# KiCad board rabbit_mask_video_edit.kicad_pcb (continued)
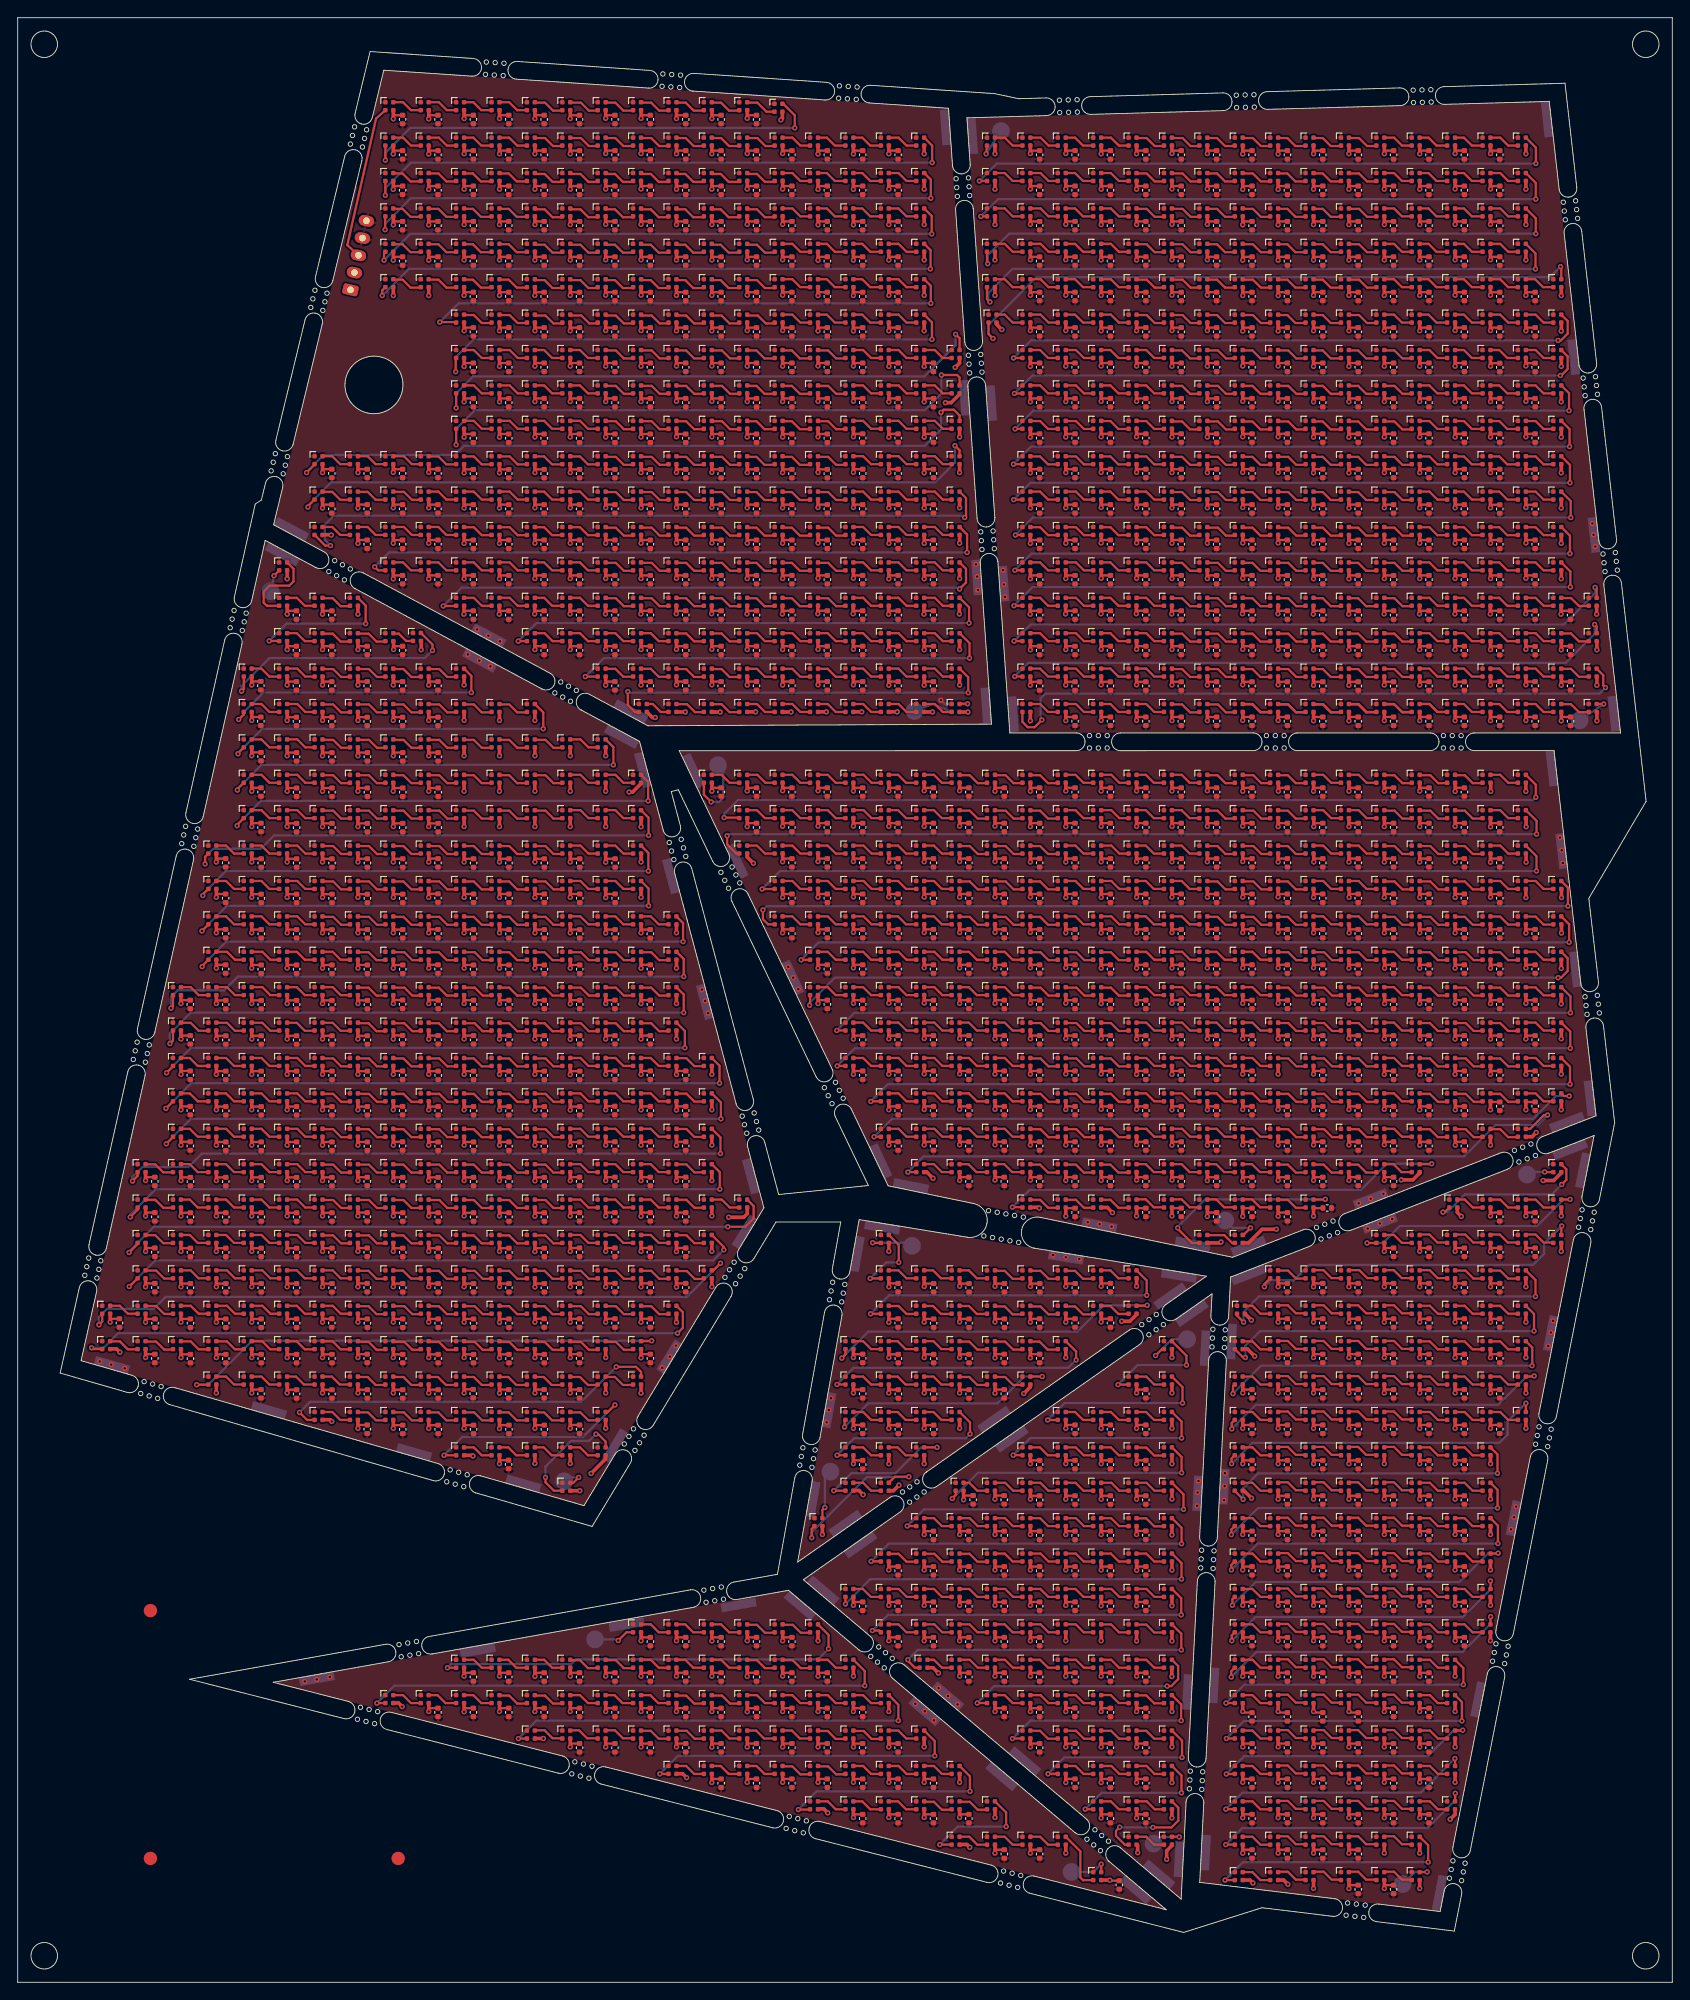
[diagram p0: board, top side]
## Placement (name value [footprint] x y rotation side) (continued)
D1217  SK6812-1515  [LED_SK6812_EC15_1.5x1.5mm]  58 64 0 top
D1218  SK6812-1515  [LED_SK6812_EC15_1.5x1.5mm]  62 64 0 top
D1219  SK6812-1515  [LED_SK6812_EC15_1.5x1.5mm]  66 64 0 top
D1220  SK6812-1515  [LED_SK6812_EC15_1.5x1.5mm]  94 64 0 top
D1221  SK6812-1515  [LED_SK6812_EC15_1.5x1.5mm]  98 64 0 top
D1222  SK6812-1515  [LED_SK6812_EC15_1.5x1.5mm]  102 64 0 top
D1223  SK6812-1515  [LED_SK6812_EC15_1.5x1.5mm]  106 64 0 top
D1224  SK6812-1515  [LED_SK6812_EC15_1.5x1.5mm]  118 64 0 top
D1225  SK6812-1515  [LED_SK6812_EC15_1.5x1.5mm]  122 64 0 top
D1226  SK6812-1515  [LED_SK6812_EC15_1.5x1.5mm]  126 64 0 top
D1227  SK6812-1515  [LED_SK6812_EC15_1.5x1.5mm]  130 64 0 top
D1228  SK6812-1515  [LED_SK6812_EC15_1.5x1.5mm]  138 64 0 top
D1229  SK6812-1515  [LED_SK6812_EC15_1.5x1.5mm]  142 64 0 top
D1230  SK6812-1515  [LED_SK6812_EC15_1.5x1.5mm]  146 64 0 top
D1231  SK6812-1515  [LED_SK6812_EC15_1.5x1.5mm]  150 64 0 top
D1232  SK6812-1515  [LED_SK6812_EC15_1.5x1.5mm]  154 64 0 top
D1233  SK6812-1515  [LED_SK6812_EC15_1.5x1.5mm]  158 64 0 top
D1234  SK6812-1515  [LED_SK6812_EC15_1.5x1.5mm]  162 64 0 top
D1235  SK6812-1515  [LED_SK6812_EC15_1.5x1.5mm]  166 64 0 top
D1236  SK6812-1515  [LED_SK6812_EC15_1.5x1.5mm]  170 64 0 top
D1237  SK6812-1515  [LED_SK6812_EC15_1.5x1.5mm]  50 60 0 top
D1238  SK6812-1515  [LED_SK6812_EC15_1.5x1.5mm]  54 60 0 top
D1239  SK6812-1515  [LED_SK6812_EC15_1.5x1.5mm]  58 60 0 top
D1240  SK6812-1515  [LED_SK6812_EC15_1.5x1.5mm]  62 60 0 top
D1241  SK6812-1515  [LED_SK6812_EC15_1.5x1.5mm]  66 60 0 top
D1242  SK6812-1515  [LED_SK6812_EC15_1.5x1.5mm]  94 60 0 top
D1243  SK6812-1515  [LED_SK6812_EC15_1.5x1.5mm]  98 60 0 top
D1244  SK6812-1515  [LED_SK6812_EC15_1.5x1.5mm]  102 60 0 top
D1245  SK6812-1515  [LED_SK6812_EC15_1.5x1.5mm]  114 60 0 top
D1246  SK6812-1515  [LED_SK6812_EC15_1.5x1.5mm]  118 60 0 top
D1247  SK6812-1515  [LED_SK6812_EC15_1.5x1.5mm]  122 60 0 top
D1248  SK6812-1515  [LED_SK6812_EC15_1.5x1.5mm]  126 60 0 top
D1249  SK6812-1515  [LED_SK6812_EC15_1.5x1.5mm]  130 60 0 top
D1250  SK6812-1515  [LED_SK6812_EC15_1.5x1.5mm]  138 60 0 top
D1251  SK6812-1515  [LED_SK6812_EC15_1.5x1.5mm]  142 60 0 top
D1252  SK6812-1515  [LED_SK6812_EC15_1.5x1.5mm]  146 60 0 top
D1253  SK6812-1515  [LED_SK6812_EC15_1.5x1.5mm]  150 60 0 top
D1254  SK6812-1515  [LED_SK6812_EC15_1.5x1.5mm]  154 60 0 top
D1255  SK6812-1515  [LED_SK6812_EC15_1.5x1.5mm]  158 60 0 top
D1256  SK6812-1515  [LED_SK6812_EC15_1.5x1.5mm]  162 60 0 top
D1257  SK6812-1515  [LED_SK6812_EC15_1.5x1.5mm]  166 60 0 top
D1258  SK6812-1515  [LED_SK6812_EC15_1.5x1.5mm]  62 56 0 top
D1259  SK6812-1515  [LED_SK6812_EC15_1.5x1.5mm]  94 56 0 top
D1260  SK6812-1515  [LED_SK6812_EC15_1.5x1.5mm]  98 56 0 top
D1261  SK6812-1515  [LED_SK6812_EC15_1.5x1.5mm]  106.45 56 0 top
D1262  SK6812-1515  [LED_SK6812_EC15_1.5x1.5mm]  110 56 0 top
D1263  SK6812-1515  [LED_SK6812_EC15_1.5x1.5mm]  114 56 0 top
D1264  SK6812-1515  [LED_SK6812_EC15_1.5x1.5mm]  118 56 0 top
D1265  SK6812-1515  [LED_SK6812_EC15_1.5x1.5mm]  122 56 0 top
D1266  SK6812-1515  [LED_SK6812_EC15_1.5x1.5mm]  126 56 0 top
D1267  SK6812-1515  [LED_SK6812_EC15_1.5x1.5mm]  130 56 0 top
D1268  SK6812-1515  [LED_SK6812_EC15_1.5x1.5mm]  138 56 0 top
D1269  SK6812-1515  [LED_SK6812_EC15_1.5x1.5mm]  142 56 0 top
D1270  SK6812-1515  [LED_SK6812_EC15_1.5x1.5mm]  146 56 0 top
D1271  SK6812-1515  [LED_SK6812_EC15_1.5x1.5mm]  150 56 0 top
D1272  SK6812-1515  [LED_SK6812_EC15_1.5x1.5mm]  154 56 0 top
D1273  SK6812-1515  [LED_SK6812_EC15_1.5x1.5mm]  158 56 0 top
D1274  SK6812-1515  [LED_SK6812_EC15_1.5x1.5mm]  162 56 0 top
D1275  SK6812-1515  [LED_SK6812_EC15_1.5x1.5mm]  166 56 0 top
D1276  SK6812-1515  [LED_SK6812_EC15_1.5x1.5mm]  90.5 52 0 top
D1277  SK6812-1515  [LED_SK6812_EC15_1.5x1.5mm]  102 52 0 top
D1278  SK6812-1515  [LED_SK6812_EC15_1.5x1.5mm]  106 52 0 top
D1279  SK6812-1515  [LED_SK6812_EC15_1.5x1.5mm]  110 52 0 top
D1280  SK6812-1515  [LED_SK6812_EC15_1.5x1.5mm]  114 52 0 top
D1281  SK6812-1515  [LED_SK6812_EC15_1.5x1.5mm]  118 52 0 top
D1282  SK6812-1515  [LED_SK6812_EC15_1.5x1.5mm]  122 52 0 top
D1283  SK6812-1515  [LED_SK6812_EC15_1.5x1.5mm]  126 52 0 top
D1284  SK6812-1515  [LED_SK6812_EC15_1.5x1.5mm]  130 52 0 top
D1285  SK6812-1515  [LED_SK6812_EC15_1.5x1.5mm]  138 52 0 top
D1286  SK6812-1515  [LED_SK6812_EC15_1.5x1.5mm]  142 52 0 top
D1287  SK6812-1515  [LED_SK6812_EC15_1.5x1.5mm]  146 52 0 top
D1288  SK6812-1515  [LED_SK6812_EC15_1.5x1.5mm]  150 52 0 top
D1289  SK6812-1515  [LED_SK6812_EC15_1.5x1.5mm]  154 52 0 top
D1290  SK6812-1515  [LED_SK6812_EC15_1.5x1.5mm]  158 52 0 top
D1291  SK6812-1515  [LED_SK6812_EC15_1.5x1.5mm]  162 52 0 top
D1292  SK6812-1515  [LED_SK6812_EC15_1.5x1.5mm]  166 52 0 top
D1293  SK6812-1515  [LED_SK6812_EC15_1.5x1.5mm]  98 48 0 top
D1294  SK6812-1515  [LED_SK6812_EC15_1.5x1.5mm]  102 48 0 top
D1295  SK6812-1515  [LED_SK6812_EC15_1.5x1.5mm]  106 48 0 top
D1296  SK6812-1515  [LED_SK6812_EC15_1.5x1.5mm]  110 48 0 top
D1297  SK6812-1515  [LED_SK6812_EC15_1.5x1.5mm]  114 48 0 top
D1298  SK6812-1515  [LED_SK6812_EC15_1.5x1.5mm]  118 48 0 top
D1299  SK6812-1515  [LED_SK6812_EC15_1.5x1.5mm]  122 48 0 top
D1300  SK6812-1515  [LED_SK6812_EC15_1.5x1.5mm]  126 48 0 top
D1301  SK6812-1515  [LED_SK6812_EC15_1.5x1.5mm]  130 48 0 top
D1302  SK6812-1515  [LED_SK6812_EC15_1.5x1.5mm]  138 48 0 top
D1303  SK6812-1515  [LED_SK6812_EC15_1.5x1.5mm]  142 48 0 top
D1304  SK6812-1515  [LED_SK6812_EC15_1.5x1.5mm]  146 48 0 top
D1305  SK6812-1515  [LED_SK6812_EC15_1.5x1.5mm]  150 48 0 top
D1306  SK6812-1515  [LED_SK6812_EC15_1.5x1.5mm]  154 48 0 top
D1307  SK6812-1515  [LED_SK6812_EC15_1.5x1.5mm]  158 48 0 top
D1308  SK6812-1515  [LED_SK6812_EC15_1.5x1.5mm]  162 48 0 top
D1309  SK6812-1515  [LED_SK6812_EC15_1.5x1.5mm]  166 48 0 top
D1310  SK6812-1515  [LED_SK6812_EC15_1.5x1.5mm]  94 44 0 top
D1311  SK6812-1515  [LED_SK6812_EC15_1.5x1.5mm]  98 44 0 top
D1312  SK6812-1515  [LED_SK6812_EC15_1.5x1.5mm]  102 44 0 top
D1313  SK6812-1515  [LED_SK6812_EC15_1.5x1.5mm]  106 44 0 top
D1314  SK6812-1515  [LED_SK6812_EC15_1.5x1.5mm]  110 44 0 top
D1315  SK6812-1515  [LED_SK6812_EC15_1.5x1.5mm]  114 44 0 top
D1316  SK6812-1515  [LED_SK6812_EC15_1.5x1.5mm]  118 44 0 top
D1317  SK6812-1515  [LED_SK6812_EC15_1.5x1.5mm]  122 44 0 top
D1318  SK6812-1515  [LED_SK6812_EC15_1.5x1.5mm]  126 44 0 top
D1319  SK6812-1515  [LED_SK6812_EC15_1.5x1.5mm]  130 44 0 top
D1320  SK6812-1515  [LED_SK6812_EC15_1.5x1.5mm]  138 44 0 top
D1321  SK6812-1515  [LED_SK6812_EC15_1.5x1.5mm]  142 44 0 top
D1322  SK6812-1515  [LED_SK6812_EC15_1.5x1.5mm]  146 44 0 top
D1323  SK6812-1515  [LED_SK6812_EC15_1.5x1.5mm]  150 44 0 top
D1324  SK6812-1515  [LED_SK6812_EC15_1.5x1.5mm]  154 44 0 top
D1325  SK6812-1515  [LED_SK6812_EC15_1.5x1.5mm]  158 44 0 top
D1326  SK6812-1515  [LED_SK6812_EC15_1.5x1.5mm]  162 44 0 top
D1327  SK6812-1515  [LED_SK6812_EC15_1.5x1.5mm]  166 44 0 top
D1328  SK6812-1515  [LED_SK6812_EC15_1.5x1.5mm]  70 40 0 top
D1329  SK6812-1515  [LED_SK6812_EC15_1.5x1.5mm]  74 40 0 top
D1330  SK6812-1515  [LED_SK6812_EC15_1.5x1.5mm]  78 40 0 top
D1331  SK6812-1515  [LED_SK6812_EC15_1.5x1.5mm]  82 40 0 top
D1332  SK6812-1515  [LED_SK6812_EC15_1.5x1.5mm]  86 40 0 top
D1333  SK6812-1515  [LED_SK6812_EC15_1.5x1.5mm]  90 40 0 top
D1334  SK6812-1515  [LED_SK6812_EC15_1.5x1.5mm]  98 40 0 top
D1335  SK6812-1515  [LED_SK6812_EC15_1.5x1.5mm]  102 40 0 top
D1336  SK6812-1515  [LED_SK6812_EC15_1.5x1.5mm]  106 40 0 top
D1337  SK6812-1515  [LED_SK6812_EC15_1.5x1.5mm]  110 40 0 top
D1338  SK6812-1515  [LED_SK6812_EC15_1.5x1.5mm]  114 40 0 top
D1339  SK6812-1515  [LED_SK6812_EC15_1.5x1.5mm]  118 40 0 top
D1340  SK6812-1515  [LED_SK6812_EC15_1.5x1.5mm]  122 40 0 top
D1341  SK6812-1515  [LED_SK6812_EC15_1.5x1.5mm]  126 40 0 top
D1342  SK6812-1515  [LED_SK6812_EC15_1.5x1.5mm]  130 40 0 top
D1343  SK6812-1515  [LED_SK6812_EC15_1.5x1.5mm]  138 40 0 top
D1344  SK6812-1515  [LED_SK6812_EC15_1.5x1.5mm]  142 40 0 top
D1345  SK6812-1515  [LED_SK6812_EC15_1.5x1.5mm]  146 40 0 top
D1346  SK6812-1515  [LED_SK6812_EC15_1.5x1.5mm]  150 40 0 top
D1347  SK6812-1515  [LED_SK6812_EC15_1.5x1.5mm]  154 40 0 top
D1348  SK6812-1515  [LED_SK6812_EC15_1.5x1.5mm]  158 40 0 top
D1349  SK6812-1515  [LED_SK6812_EC15_1.5x1.5mm]  162 40 0 top
D1350  SK6812-1515  [LED_SK6812_EC15_1.5x1.5mm]  166 40 0 top
D1351  SK6812-1515  [LED_SK6812_EC15_1.5x1.5mm]  50 36 0 top
D1352  SK6812-1515  [LED_SK6812_EC15_1.5x1.5mm]  54 36 0 top
D1353  SK6812-1515  [LED_SK6812_EC15_1.5x1.5mm]  58 36 0 top
D1354  SK6812-1515  [LED_SK6812_EC15_1.5x1.5mm]  62 36 0 top
D1355  SK6812-1515  [LED_SK6812_EC15_1.5x1.5mm]  66 36 0 top
D1356  SK6812-1515  [LED_SK6812_EC15_1.5x1.5mm]  70 36 0 top
D1357  SK6812-1515  [LED_SK6812_EC15_1.5x1.5mm]  74 36 0 top
D1358  SK6812-1515  [LED_SK6812_EC15_1.5x1.5mm]  78 36 0 top
D1359  SK6812-1515  [LED_SK6812_EC15_1.5x1.5mm]  82 36 0 top
D1360  SK6812-1515  [LED_SK6812_EC15_1.5x1.5mm]  86 36 0 top
D1361  SK6812-1515  [LED_SK6812_EC15_1.5x1.5mm]  90 36 0 top
D1362  SK6812-1515  [LED_SK6812_EC15_1.5x1.5mm]  94 36 0 top
D1363  SK6812-1515  [LED_SK6812_EC15_1.5x1.5mm]  102.38 36 0 top
D1364  SK6812-1515  [LED_SK6812_EC15_1.5x1.5mm]  106 36 0 top
D1365  SK6812-1515  [LED_SK6812_EC15_1.5x1.5mm]  110 36 0 top
D1366  SK6812-1515  [LED_SK6812_EC15_1.5x1.5mm]  114 36 0 top
D1367  SK6812-1515  [LED_SK6812_EC15_1.5x1.5mm]  118 36 0 top
D1368  SK6812-1515  [LED_SK6812_EC15_1.5x1.5mm]  122 36 0 top
D1369  SK6812-1515  [LED_SK6812_EC15_1.5x1.5mm]  126 36 0 top
D1370  SK6812-1515  [LED_SK6812_EC15_1.5x1.5mm]  130 36 0 top
D1371  SK6812-1515  [LED_SK6812_EC15_1.5x1.5mm]  138 36 0 top
D1372  SK6812-1515  [LED_SK6812_EC15_1.5x1.5mm]  142 36 0 top
D1373  SK6812-1515  [LED_SK6812_EC15_1.5x1.5mm]  146 36 0 top
D1374  SK6812-1515  [LED_SK6812_EC15_1.5x1.5mm]  150 36 0 top
D1375  SK6812-1515  [LED_SK6812_EC15_1.5x1.5mm]  154 36 0 top
D1376  SK6812-1515  [LED_SK6812_EC15_1.5x1.5mm]  158 36 0 top
D1377  SK6812-1515  [LED_SK6812_EC15_1.5x1.5mm]  162 36 0 top
D1378  SK6812-1515  [LED_SK6812_EC15_1.5x1.5mm]  42 32 0 top
D1379  SK6812-1515  [LED_SK6812_EC15_1.5x1.5mm]  46 32 0 top
D1380  SK6812-1515  [LED_SK6812_EC15_1.5x1.5mm]  50 32 0 top
D1381  SK6812-1515  [LED_SK6812_EC15_1.5x1.5mm]  54 32 0 top
D1382  SK6812-1515  [LED_SK6812_EC15_1.5x1.5mm]  58 32 0 top
D1383  SK6812-1515  [LED_SK6812_EC15_1.5x1.5mm]  62 32 0 top
D1384  SK6812-1515  [LED_SK6812_EC15_1.5x1.5mm]  66 32 0 top
D1385  SK6812-1515  [LED_SK6812_EC15_1.5x1.5mm]  70 32 0 top
D1386  SK6812-1515  [LED_SK6812_EC15_1.5x1.5mm]  74 32 0 top
D1387  SK6812-1515  [LED_SK6812_EC15_1.5x1.5mm]  78 32 0 top
D1388  SK6812-1515  [LED_SK6812_EC15_1.5x1.5mm]  82 32 0 top
D1389  SK6812-1515  [LED_SK6812_EC15_1.5x1.5mm]  86 32 0 top
D1390  SK6812-1515  [LED_SK6812_EC15_1.5x1.5mm]  90 32 0 top
D1391  SK6812-1515  [LED_SK6812_EC15_1.5x1.5mm]  94 32 0 top
D1392  SK6812-1515  [LED_SK6812_EC15_1.5x1.5mm]  98 32 0 top
D1393  SK6812-1515  [LED_SK6812_EC15_1.5x1.5mm]  110 32 0 top
D1394  SK6812-1515  [LED_SK6812_EC15_1.5x1.5mm]  114 32 0 top
D1395  SK6812-1515  [LED_SK6812_EC15_1.5x1.5mm]  118 32 0 top
D1396  SK6812-1515  [LED_SK6812_EC15_1.5x1.5mm]  122 32 0 top
D1397  SK6812-1515  [LED_SK6812_EC15_1.5x1.5mm]  126 32 0 top
D1398  SK6812-1515  [LED_SK6812_EC15_1.5x1.5mm]  130 32 0 top
D1399  SK6812-1515  [LED_SK6812_EC15_1.5x1.5mm]  138 32 0 top
D1400  SK6812-1515  [LED_SK6812_EC15_1.5x1.5mm]  142 32 0 top
D1401  SK6812-1515  [LED_SK6812_EC15_1.5x1.5mm]  146 32 0 top
D1402  SK6812-1515  [LED_SK6812_EC15_1.5x1.5mm]  150 32 0 top
D1403  SK6812-1515  [LED_SK6812_EC15_1.5x1.5mm]  154 32 0 top
D1404  SK6812-1515  [LED_SK6812_EC15_1.5x1.5mm]  158 32 0 top
D1405  SK6812-1515  [LED_SK6812_EC15_1.5x1.5mm]  162 32 0 top
D1406  SK6812-1515  [LED_SK6812_EC15_1.5x1.5mm]  58 28 0 top
D1407  SK6812-1515  [LED_SK6812_EC15_1.5x1.5mm]  62 28 0 top
D1408  SK6812-1515  [LED_SK6812_EC15_1.5x1.5mm]  66 28 0 top
D1409  SK6812-1515  [LED_SK6812_EC15_1.5x1.5mm]  70 28 0 top
D1410  SK6812-1515  [LED_SK6812_EC15_1.5x1.5mm]  74 28 0 top
D1411  SK6812-1515  [LED_SK6812_EC15_1.5x1.5mm]  78 28 0 top
D1412  SK6812-1515  [LED_SK6812_EC15_1.5x1.5mm]  82 28 0 top
D1413  SK6812-1515  [LED_SK6812_EC15_1.5x1.5mm]  86 28 0 top
D1414  SK6812-1515  [LED_SK6812_EC15_1.5x1.5mm]  90 28 0 top
D1415  SK6812-1515  [LED_SK6812_EC15_1.5x1.5mm]  94 28 0 top
D1416  SK6812-1515  [LED_SK6812_EC15_1.5x1.5mm]  98 28 0 top
D1417  SK6812-1515  [LED_SK6812_EC15_1.5x1.5mm]  102 28 0 top
D1418  SK6812-1515  [LED_SK6812_EC15_1.5x1.5mm]  114 28 0 top
D1419  SK6812-1515  [LED_SK6812_EC15_1.5x1.5mm]  118 28 0 top
D1420  SK6812-1515  [LED_SK6812_EC15_1.5x1.5mm]  122 28 0 top
D1421  SK6812-1515  [LED_SK6812_EC15_1.5x1.5mm]  126 28 0 top
D1422  SK6812-1515  [LED_SK6812_EC15_1.5x1.5mm]  130 28 0 top
D1423  SK6812-1515  [LED_SK6812_EC15_1.5x1.5mm]  138 28 0 top
D1424  SK6812-1515  [LED_SK6812_EC15_1.5x1.5mm]  142 28 0 top
D1425  SK6812-1515  [LED_SK6812_EC15_1.5x1.5mm]  146 28 0 top
D1426  SK6812-1515  [LED_SK6812_EC15_1.5x1.5mm]  150 28 0 top
D1427  SK6812-1515  [LED_SK6812_EC15_1.5x1.5mm]  154 28 0 top
D1428  SK6812-1515  [LED_SK6812_EC15_1.5x1.5mm]  158 28 0 top
D1429  SK6812-1515  [LED_SK6812_EC15_1.5x1.5mm]  162 28 0 top
D1430  SK6812-1515  [LED_SK6812_EC15_1.5x1.5mm]  74 24 0 top
D1431  SK6812-1515  [LED_SK6812_EC15_1.5x1.5mm]  78 24 0 top
D1432  SK6812-1515  [LED_SK6812_EC15_1.5x1.5mm]  82 24 0 top
D1433  SK6812-1515  [LED_SK6812_EC15_1.5x1.5mm]  86 24 0 top
D1434  SK6812-1515  [LED_SK6812_EC15_1.5x1.5mm]  90 24 0 top
D1435  SK6812-1515  [LED_SK6812_EC15_1.5x1.5mm]  94 24 0 top
D1436  SK6812-1515  [LED_SK6812_EC15_1.5x1.5mm]  98 24 0 top
D1437  SK6812-1515  [LED_SK6812_EC15_1.5x1.5mm]  102 24 0 top
D1438  SK6812-1515  [LED_SK6812_EC15_1.5x1.5mm]  106 24 0 top
D1439  SK6812-1515  [LED_SK6812_EC15_1.5x1.5mm]  118 24 0 top
D1440  SK6812-1515  [LED_SK6812_EC15_1.5x1.5mm]  122 24 0 top
D1441  SK6812-1515  [LED_SK6812_EC15_1.5x1.5mm]  126 24 0 top
D1442  SK6812-1515  [LED_SK6812_EC15_1.5x1.5mm]  130 24 0 top
D1443  SK6812-1515  [LED_SK6812_EC15_1.5x1.5mm]  138 24 0 top
D1444  SK6812-1515  [LED_SK6812_EC15_1.5x1.5mm]  142 24 0 top
D1445  SK6812-1515  [LED_SK6812_EC15_1.5x1.5mm]  146 24 0 top
D1446  SK6812-1515  [LED_SK6812_EC15_1.5x1.5mm]  150 24 0 top
D1447  SK6812-1515  [LED_SK6812_EC15_1.5x1.5mm]  154 24 0 top
D1448  SK6812-1515  [LED_SK6812_EC15_1.5x1.5mm]  158 24 0 top
D1449  SK6812-1515  [LED_SK6812_EC15_1.5x1.5mm]  162 24 0 top
D1450  SK6812-1515  [LED_SK6812_EC15_1.5x1.5mm]  90 20 0 top
D1451  SK6812-1515  [LED_SK6812_EC15_1.5x1.5mm]  94 20 0 top
D1452  SK6812-1515  [LED_SK6812_EC15_1.5x1.5mm]  98 20 0 top
D1453  SK6812-1515  [LED_SK6812_EC15_1.5x1.5mm]  102 20 0 top
D1454  SK6812-1515  [LED_SK6812_EC15_1.5x1.5mm]  106 20 0 top
D1455  SK6812-1515  [LED_SK6812_EC15_1.5x1.5mm]  110 20 0 top
D1456  SK6812-1515  [LED_SK6812_EC15_1.5x1.5mm]  122 20 0 top
D1457  SK6812-1515  [LED_SK6812_EC15_1.5x1.5mm]  126 20 0 top
D1458  SK6812-1515  [LED_SK6812_EC15_1.5x1.5mm]  130 20 0 top
D1459  SK6812-1515  [LED_SK6812_EC15_1.5x1.5mm]  138 20 0 top
D1460  SK6812-1515  [LED_SK6812_EC15_1.5x1.5mm]  142 20 0 top
D1461  SK6812-1515  [LED_SK6812_EC15_1.5x1.5mm]  146 20 0 top
D1462  SK6812-1515  [LED_SK6812_EC15_1.5x1.5mm]  150 20 0 top
D1463  SK6812-1515  [LED_SK6812_EC15_1.5x1.5mm]  154 20 0 top
D1464  SK6812-1515  [LED_SK6812_EC15_1.5x1.5mm]  158 20 0 top
D1465  SK6812-1515  [LED_SK6812_EC15_1.5x1.5mm]  162 20 0 top
D1466  SK6812-1515  [LED_SK6812_EC15_1.5x1.5mm]  106 16 0 top
D1467  SK6812-1515  [LED_SK6812_EC15_1.5x1.5mm]  110 16 0 top
D1468  SK6812-1515  [LED_SK6812_EC15_1.5x1.5mm]  114 16 0 top
D1469  SK6812-1515  [LED_SK6812_EC15_1.5x1.5mm]  118 16 0 top
D1470  SK6812-1515  [LED_SK6812_EC15_1.5x1.5mm]  126 16 0 top
D1471  SK6812-1515  [LED_SK6812_EC15_1.5x1.5mm]  130 16 0 top
D1472  SK6812-1515  [LED_SK6812_EC15_1.5x1.5mm]  138 16 0 top
D1473  SK6812-1515  [LED_SK6812_EC15_1.5x1.5mm]  142 16 0 top
D1474  SK6812-1515  [LED_SK6812_EC15_1.5x1.5mm]  146 16 0 top
D1475  SK6812-1515  [LED_SK6812_EC15_1.5x1.5mm]  150 16 0 top
D1476  SK6812-1515  [LED_SK6812_EC15_1.5x1.5mm]  154 16 0 top
D1477  SK6812-1515  [LED_SK6812_EC15_1.5x1.5mm]  158 16 0 top
D1478  SK6812-1515  [LED_SK6812_EC15_1.5x1.5mm]  122 12 0 top
D1479  SK6812-1515  [LED_SK6812_EC15_1.5x1.5mm]  138 12 0 top
D1480  SK6812-1515  [LED_SK6812_EC15_1.5x1.5mm]  142 12 0 top
D1481  SK6812-1515  [LED_SK6812_EC15_1.5x1.5mm]  146 12 0 top
D1482  SK6812-1515  [LED_SK6812_EC15_1.5x1.5mm]  150 12 0 top
D1483  SK6812-1515  [LED_SK6812_EC15_1.5x1.5mm]  154 12 0 top
D1484  SK6812-1515  [LED_SK6812_EC15_1.5x1.5mm]  158 12 0 top
D1659  SK6812-1515  [LED_SK6812_EC15_1.5x1.5mm]  106 144 270 bottom
J1485  Conn_01x05  [JST_PH_S5B-PH-K_1x05_P2.00mm_Horizontal]  37.61 191.25 77 bottom
J1487  Bridge  [1x4_SMD_edge]  112.5 143.3 184 bottom
J1487#2  Bridge  [1x4_SMD_edge]  173.4 137.15 6.5 bottom
J1487#3  Bridge  [1x4_SMD_edge]  97.55 92.8 25 bottom
J1487#4  Bridge  [1x4_SMD_edge]  134.25 14.65 357 bottom
J1487#5  Bridge  [1x4_SMD_edge]  76.4 136.9 25 bottom
J1487#6  Bridge  [1x4_SMD_edge]  172.85 210.5 6.5 bottom
J1487#7  Bridge  [1x4_SMD_edge]  28.4 64.65 74 bottom
J1487#8  Bridge  [1x4_SMD_edge]  109.45 144.3 184 bottom
J1487#9  Bridge  [1x4_SMD_edge]  126.35 10.45 229.5 bottom
J1487#10  Bridge  [1x4_SMD_edge]  176.05 114.45 6.5 bottom
J1487#11  Bridge  [1x4_SMD_edge]  107 179.05 184 bottom
J1487#12  Bridge  [1x4_SMD_edge]  29.9 161.35 242 bottom
J1487#13  Bridge  [1x4_SMD_edge]  180.4 143.35 6.5 bottom
J1487#14  Bridge  [1x4_SMD_edge]  94.9 82.3 170 bottom
J1487#15  Bridge  [1x4_SMD_edge]  175.85 183.65 6.5 bottom
J1487#16  Bridge  [1x4_SMD_edge]  131.25 79.85 261 bottom
J1487#17  Bridge  [1x4_SMD_edge]  175.45 94.1 291 bottom
J1487#18  Bridge  [1x4_SMD_edge]  68.25 140.75 242 bottom
J1487#19  Bridge  [1x4_SMD_edge]  81.48 42.64 100 bottom
J1487#20  Bridge  [1x4_SMD_edge]  131.25 13.9 357 bottom
J1487#21  Bridge  [1x4_SMD_edge]  111.2 23.25 229.5 bottom
J1487#22  Bridge  [1x4_SMD_edge]  57.15 56.35 74 bottom
J1487#23  Bridge  [1x4_SMD_edge]  73.8 125 15 bottom
J1487#24  Bridge  [1x4_SMD_edge]  139.1 83.2 291 bottom
J1487#25  Bridge  [1x4_SMD_edge]  67.5 60.65 148.5 bottom
J1487#26  Bridge  [1x4_SMD_edge]  30.95 164.2 242 bottom
J1487#27  Bridge  [1x4_SMD_edge]  129 12.2 229.5 bottom
J1487#28  Bridge  [1x4_SMD_edge]  139.1 79.95 291 bottom
J1487#29  Bridge  [1x4_SMD_edge]  69.3 143.6 242 bottom
J1487#30  Bridge  [1x4_SMD_edge]  176.9 91.75 348.6 bottom
J1487#31  Bridge  [1x4_SMD_edge]  70.65 137 15 bottom
J1487#32  Bridge  [1x4_SMD_edge]  135.2 33.55 357 bottom
J1487#33  Bridge  [1x4_SMD_edge]  132.7 75.6 305 bottom
J1487#34  Bridge  [1x4_SMD_edge]  91.05 44.3 229.5 bottom
J1487#35  Bridge  [1x4_SMD_edge]  165.05 31.95 348.6 bottom
J1487#36  Bridge  [1x4_SMD_edge]  137.2 72.4 357 bottom
J1487#37  Bridge  [1x4_SMD_edge]  110.05 178.45 184 bottom
J1487#38  Bridge  [1x4_SMD_edge]  107.9 208.6 184 bottom
J1487#39  Bridge  [1x4_SMD_edge]  130.25 77.55 305 bottom
J1487#40  Bridge  [1x4_SMD_edge]  68.82 40.42 100 bottom
J1487#41  Bridge  [1x4_SMD_edge]  132.2 32.8 357 bottom
J1487#42  Bridge  [1x4_SMD_edge]  110.35 63.6 305 bottom
J1487#43  Bridge  [1x4_SMD_edge]  100.95 90 259 bottom
J1487#44  Bridge  [1x4_SMD_edge]  95.25 49.45 305 bottom
J1487#45  Bridge  [1x4_SMD_edge]  88.4 42.55 229.5 bottom
J1487#46  Bridge  [1x4_SMD_edge]  93.55 51.85 305 bottom
J1487#47  Bridge  [1x4_SMD_edge]  97.7 85.3 261 bottom
J1487#48  Bridge  [1x4_SMD_edge]  132.8 83.4 259 bottom
J1487#49  Bridge  [1x4_SMD_edge]  44.8 59.9 74 bottom
J1487#50  Bridge  [1x4_SMD_edge]  112.35 61.4 305 bottom
J1487#51  Bridge  [1x4_SMD_edge]  113.85 25 229.5 bottom
J1487#52  Bridge  [1x4_SMD_edge]  134.2 71.65 357 bottom
J1487#53  Bridge  [1x4_SMD_edge]  52 37.5 100 bottom
J1487#54  Bridge  [1x4_SMD_edge]  82.85 91.1 15 bottom
J1487#55  Bridge  [1x4_SMD_edge]  81.3 126.7 25 bottom
J1487#56  Bridge  [1x4_SMD_edge]  82.15 84.8 148.5 bottom
J1487#57  Bridge  [1x4_SMD_edge]  160.7 10.1 348.6 bottom
J1487#58  Bridge  [1x4_SMD_edge]  89.9 54.6 170 bottom
J1487#59  Bridge  [1x4_SMD_edge]  177.7 99.9 6.5 bottom
J1487#60  Bridge  [1x4_SMD_edge]  175.1 97.2 291 bottom
J1487#61  Bridge  [1x4_SMD_edge]  104.85 209.6 184 bottom
J1493  Bridge  [1x4_SMD_edge]  87.62 113.55 25 bottom
J1493#2  Bridge  [1x4_SMD_edge]  173.24 73.34 348.6 bottom
J1493#3  Bridge  [1x4_SMD_edge]  108.4 158.75 184 bottom
J1493#4  Bridge  [1x4_SMD_edge]  77.65 110.8 15 bottom
J1493#5  Bridge  [1x4_SMD_edge]  111.45 158.05 184 bottom
J1493#6  Bridge  [1x4_SMD_edge]  105.15 32.35 229.5 bottom
J1493#7  Bridge  [1x4_SMD_edge]  153.95 85.75 291 bottom
J1493#8  Bridge  [1x4_SMD_edge]  33.81 34.3 100 bottom
J1493#9  Bridge  [1x4_SMD_edge]  152.9 88.55 291 bottom
J1493#10  Bridge  [1x4_SMD_edge]  52.2 149.35 242 bottom
J1493#11  Bridge  [1x4_SMD_edge]  174.5 127.83 6.5 bottom
J1493#12  Bridge  [1x4_SMD_edge]  122.25 85.57 259 bottom
J1493#13  Bridge  [1x4_SMD_edge]  178.15 163.55 6.5 bottom
J1493#14  Bridge  [1x4_SMD_edge]  118.47 81.9 261 bottom
J1493#15  Bridge  [1x4_SMD_edge]  133.35 55.25 357 bottom
J1493#16  Bridge  [1x4_SMD_edge]  102.5 30.6 229.5 bottom
J1493#17  Bridge  [1x4_SMD_edge]  73.65 70.7 148.5 bottom
J1493#18  Bridge  [1x4_SMD_edge]  136.35 56 357 bottom
J1493#19  Bridge  [1x4_SMD_edge]  91.7 64.65 170 bottom
J1493#20  Bridge  [1x4_SMD_edge]  169.05 52.45 348.6 bottom
J1493#21  Bridge  [1x4_SMD_edge]  10.65 69.75 74 bottom
J1493#22  Bridge  [1x4_SMD_edge]  53.25 152.2 242 bottom
kibuzzard-67073D6C  G***  [kibuzzard-67073D6C]  100.47 145.78 180 bottom
kibuzzard-67073D6C#2  G***  [kibuzzard-67073D6C]  114.18 209.82 180 bottom
kibuzzard-67073D97  G***  [kibuzzard-67073D97]  31.48 157.32 180 bottom
kibuzzard-67073D97#2  G***  [kibuzzard-67073D97]  174.05 144.22 180 bottom
kibuzzard-67073DB3  G***  [kibuzzard-67073DB3]  60.47 58.7 180 bottom
kibuzzard-67073DB3#2  G***  [kibuzzard-67073DB3]  82.2 138.1 180 bottom
kibuzzard-67073DD1  G***  [kibuzzard-67073DD1]  136.43 88.25 180 bottom
kibuzzard-67073DD1#2  G***  [kibuzzard-67073DD1]  104.07 83.62 180 bottom
kibuzzard-67073DF6  G***  [kibuzzard-67073DF6]  94.72 57.07 180 bottom
kibuzzard-67073DF6#2  G***  [kibuzzard-67073DF6]  62.42 37.85 180 bottom
kibuzzard-67073E4F  G***  [kibuzzard-67073E4F]  167.75 90.15 180 bottom
kibuzzard-67073E4F#2  G***  [kibuzzard-67073E4F]  125.6 16.22 180 bottom
kibuzzard-67073E20  G***  [kibuzzard-67073E20]  129.38 72.03 180 bottom
kibuzzard-67073E20#2  G***  [kibuzzard-67073E20]  116.38 13.28 180 bottom
REF**  -  [Fiducial_1.5mm_Mask3mm]  15 42 0 top
REF**#2  -  [Fiducial_1.5mm_Mask3mm]  43 14 0 top
REF**#3  -  [Fiducial_1.5mm_Mask3mm]  15 14 0 top
TP1500  LED_JMP  [TestPoint_Pad_D3.0mm]  101.35 143.65 180 bottom
TP1501  LED_JMP  [TestPoint_Pad_D3.0mm]  111.12 209.2 180 bottom
TP1502  LED_JMP  [TestPoint_Pad_D3.0mm]  176.53 142.6 180 bottom
TP1503  LED_JMP  [TestPoint_Pad_D3.0mm]  79.15 137.53 180 bottom
TP1504  LED_JMP  [TestPoint_Pad_D3.0mm]  28.58 157.2 180 bottom
TP1505  LED_JMP  [TestPoint_Pad_D3.0mm]  136.47 86.07 180 bottom
TP1506  LED_JMP  [TestPoint_Pad_D3.0mm]  170.57 91.28 180 bottom
TP1507  LED_JMP  [TestPoint_Pad_D3.0mm]  156.53 11.1 180 bottom
TP1508  LED_JMP  [TestPoint_Pad_D3.0mm]  128.38 15.68 180 bottom
TP1509  LED_JMP  [TestPoint_Pad_D3.0mm]  132.18 72.68 180 bottom
TP1510  LED_JMP  [TestPoint_Pad_D3.0mm]  101.07 83.22 180 bottom
TP1511  LED_JMP  [TestPoint_Pad_D3.0mm]  91.85 57.7 180 bottom
TP1512  LED_JMP  [TestPoint_Pad_D3.0mm]  119.1 12.47 180 bottom
TP1513  LED_JMP  [TestPoint_Pad_D3.0mm]  65.25 38.75 180 bottom
TP1514  LED_JMP  [TestPoint_Pad_D3.0mm]  61.78 56.62 180 bottom

## Library data of the parts
C1485 C1485#2-C1485#1279 = -: Description: Unpolarized capacitor, small symbol
D1-D108 D110-D141 D143-D175 D179-D1484 D1659 = -: Description: RGB LED with integrated controller; Field4: 1
J1485 = -: Description: Generic connector, single row, 01x05, script generated (kicad-library-utils/schlib/autogen/connector/)
J1487 J1487#2-J1487#61 J1493 J1493#2-J1493#22 = -: Description: Generic connector, single row, 01x01, script generated (kicad-library-utils/schlib/autogen/connector/)
TP1500-TP1514 = -: Description: test point

## Footprints (pads in the part's own frame, mm; a bottom-side part is the same pattern mirrored in y, then rotated)
1x4_SMD_edge
  rect 1x4 smd: 1(0,0)
C_0402_1005Metric
  rrect 0.56x0.62 smd: 1(-0.48,0) 2(0.48,0)
Fiducial_1.5mm_Mask3mm
  round 1.5 smd: (0,0)
JST_PH_S5B-PH-K_1x05_P2.00mm_Horizontal
  rrect 1.2x1.75 hole 0.75: 1(0,0)
  oval 1.2x1.75 hole 0.75: 2(2,0) 3(4,0) 4(6,0) 5(8,0)
LED_SK6812_EC15_1.5x1.5mm
  rrect 0.5x0.5 smd: 1(-0.45,-0.45) 2(0.45,-0.45) 3(0.45,0.45) 4(-0.45,0.45)
TestPoint_Pad_D3.0mm
  round 2 smd: 1(0,0)

## Nets
